# Altium PCB Mother_and_Asserv.PcbDoc (part 2 of 2)
Units mil, origin at the board's own origin, x right, y up, seen from the top; angles counter-clockwise.
Board outline 7572 x 3149 mil, 2 copper layers (Top Layer, Bottom Layer); 179 components, 0 nets, 687 pads, 93 vias.
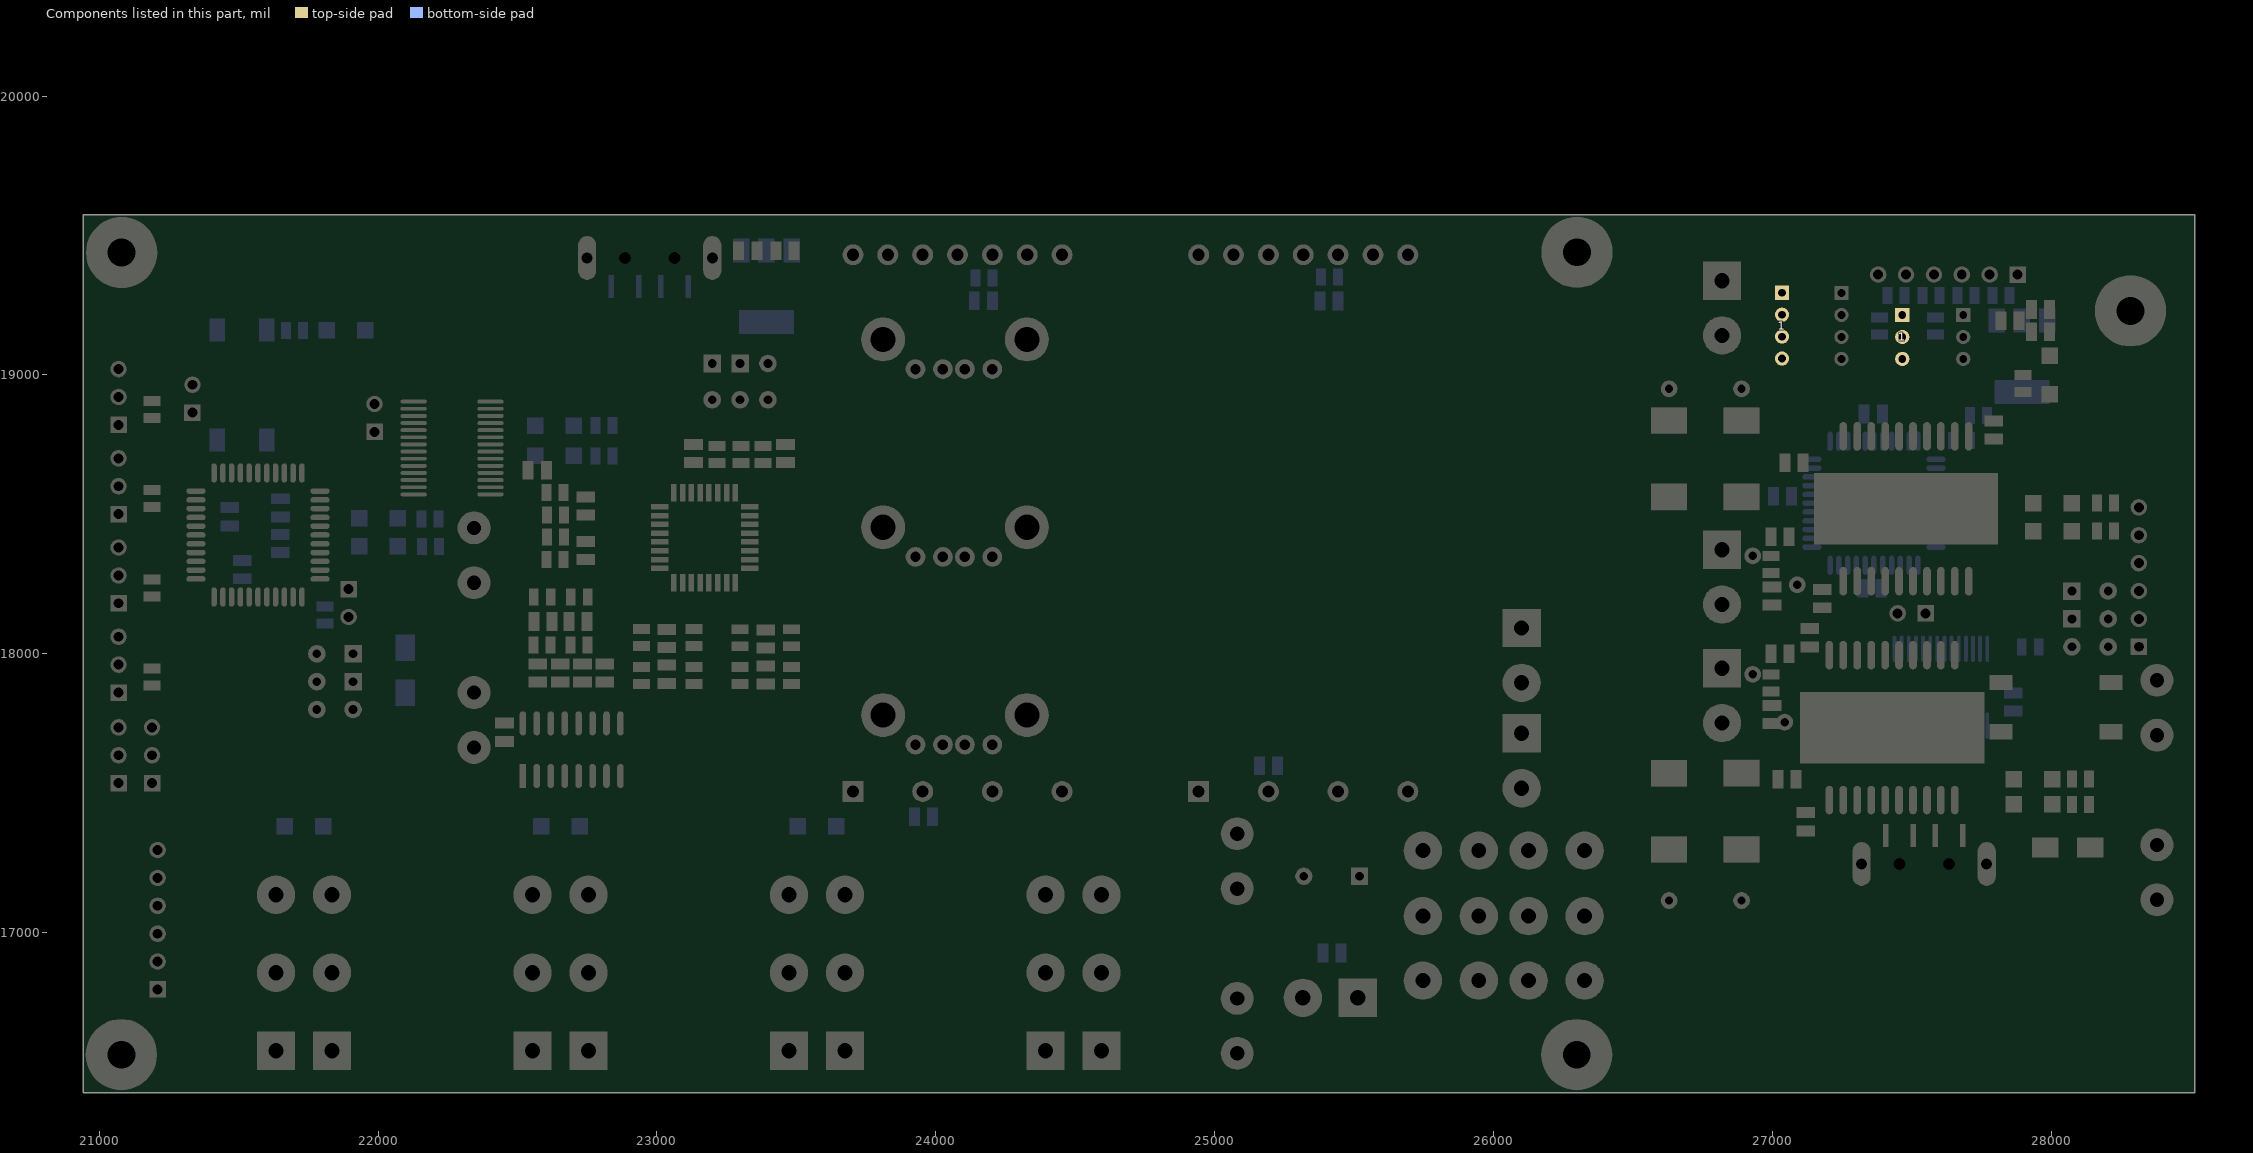
[diagram p2: the components of this part, seen from the top]

## Via types
v1: diameter 50, hole 28, Top Layer to Bottom Layer, 93 vias

## Nets (pads, with @x,y where several pads share a name; then routed paths per layer and width w, separated by ;. In a path a pad name is that pad's centre, name@x,y a point inside that pad or via, vN(x,y) a via of type N, cw(c..) or ccw(c..) an arc to the next point about the centre after c; other vN are vias at no path point) (continued)
copper on no net: | length 149392.9
  Top Layer w10: 21013,18181 21069,18181 ; 21013,18501 21069,18501 ; 21069,17636 21189,17636 21538,17985 21538,18203.06 21537.5,18203.56 ; 21069,17861 21011,17919 21011,18763 21069,18821 ; 21082.98,17947.02 21205.02,17947.02 21274,18016 21274,18231 21311.52,18268.52 21346.56,18268.52 ; 21082.98,18267.02 21195.02,18267.02 21228.02,18300.02 21346.56,18300.02 ; 21082.98,18587.02 21189,18587.02 21197.42,18587.02 21269,18515.44 21269,18380.83 21311.66,18338.17 21339.91,18338.17 21346.56,18331.51 ; 21082.98,18907.02 21189,18907.02 21202.98,18907.02 21289,18821 21289,18392.32 21311.66,18369.66 21339.91,18369.66 21346.56,18363.01 ; 21094,17886 21189,17886 ; 21094,18206 21189,18206 ; 21094,18526 21189,18526 ; 21094,18846 21189,18846 ; 21189,17536 21069,17536 20991,17614 20991,19022 21486.44,19517.44 24704.56,19517.44 24843.5,19378.5 24964.75,19378.5 25017.25,19431 25068,19431 25193,19431 ; 21209,16796 21164.47,16840.53 21164.47,17343.9 21574.54,17753.97 ; 21209,17096 21474.28,17096 22037,17658.72 22037,18477.59 21906.27,18608.32 21756.54,18608.32 21741.99,18593.77 21741.99,18573.19 21763.2,18551.98 21791.44,18551.98 21792.43,18551 21818.7,18551 ; 21209,17195 21545,17195 22017,17667 22017,18469.31 21902.83,18583.48 21791.44,18583.48 ; 21334,18865 21411.52,18787.48 21411.52,18648.44 ; 21347.06,18395 v1(21457,18395) ; v1(21411.52,18136.48) 21411.52,18203.56 ; 21506.01,18648.44 21506.01,18821.58 21625.42,18941 22172,18941 22190,18923 22190,18639.92 22173.08,18623 22127.36,18623 ; v1(21569,18506) 21569,18648.44 ; 21575,17753.5 21863.5,17753.5 21910,17800 ; 21600.5,18648.44 v1(21600.5,18704.97) ; 21603,18201.06 21600.5,18203.56 21600.5,18260.5 v1(21609,18269) ; v1(21623,18034) 21631.99,18042.99 21631.99,18203.56 ; 21631.99,18648.44 21634.39,18650.84 21634.39,18680.39 21693,18739 21830,18739 21987,18896 ; v1(21654,17980) 21663.49,17989.49 21663.49,18203.56 ; 21663.49,18648.44 21663.49,18677.49 21705,18719 21910,18719 21987,18796 ; 21694.98,18203.56 21694.98,17959.27 21102,17366.28 21102,16764 21393.43,16472.57 23369.71,16472.57 ; 21694.98,18648.44 21694.98,18676.68 21716.3,18698 21974,18698 22052.39,18776.39 22127.2,18776.39 ; v1(21726.41,18417.5) 21734.91,18426 21791.44,18426 ; 21726.48,18203.56 21726.48,17962.48 21123,17359 21123,16773.45 21403.87,16492.57 22469.71,16492.57 22553.6,16576.47 22754.39,16576.47 ; 21726.48,18648.44 22127.2,18648.44 ; 21791.44,18331.51 21794.75,18328.2 21826.2,18328.2 21844,18310.41 21844,17998.17 21799.34,17953.5 21745.79,17953.5 21143,17350.72 21143,16781.73 21348.26,16576.47 21633.6,16576.47 21834.39,16576.47 ; 21791.44,18457.5 21841.5,18457.5 21959,18340 21964.57,18340 21988,18316.57 21988,17985.01 21910,17907.01 21910,17900 ; 21791.44,18488.99 v1(21867,18489) ; 21791.44,18520.49 21841.92,18520.49 21850.43,18529 21900.74,18529 v1(21927,18502.74) ; 21821.69,18361 21894,18288.69 21894,18232 ; 21992.98,18801.98 22127.2,18801.98 ; 21995.34,18904.34 22127.2,18904.34 ; v1(22032,18551) 22035,18551 22081.25,18597.25 22127.2,18597.25 ; v1(22040,18698) 22040,18710 22080.8,18750.8 22127.2,18750.8 ; v1(22044,18854) 22070.43,18827.57 22127.2,18827.57 ; v1(22234,18824) v1(22234,19131.79) 23296,19131.79 ; v1@22261,18695 22261,18534.4 22344,18451.4 ; v1(22261,18699.61) 22402.8,18699.61 ; 22344,17859 22383,17898 22557.92,17898 22570.96,17911.04 ; 22344,18257.55 22344,18451.4 ; 22344,18454.4 22344,18451.4 ; 22402.8,18571.66 22556.46,18418 22605,18418 22605,18339.02 ; 22402.8,18597.25 22584.72,18597.25 ; 22402.8,18750.8 22481.2,18750.8 v1(22487,18745) ; 22402.8,18776.39 22449.39,18776.39 v1(22489,18816) ; 22403.46,18623.51 22402.8,18622.84 22502.84,18622.84 22538,18658 ; 22453,17751 22518.49,17751 ; v1(22518,17836) 22518,17751.49 22519,17750.49 22569,17750.49 ; 22519,17561.51 22519,17530 22567,17482 23142,17482 ; 22557.07,18031 22557.07,18039.67 22624,18106.6 22624,18116 22684,18116 22714.28,18146.28 22714.28,18156.93 22751.93,18194.58 22751.93,18203 ; 22560.04,18123 22560.04,18209.45 22558.07,18211.42 22599.14,18252.49 22783.85,18252.49 22869.26,18337.9 23009.4,18337.9 ; 22571,17590 22541.18,17619.82 22493.82,17619.82 22436,17562 22298,17562 22234,17626 22234,17967 22539.49,18272.49 22775.57,18272.49 22906.08,18403 23007.3,18403 23009.4,18400.9 ; 22573,17899.04 22573,17885 22649.2,17808.8 22680.11,17808.8 22719,17769.9 22719,17750.49 ; 22605,18498 22605,18576.98 ; 22618.09,18031 v1(22654,18031) 22689.91,18031 ; 22619,17561.51 22619,17588 22723.18,17692.18 22880.11,17692.18 22899.49,17711.56 22899.49,18121.74 23032.95,18255.2 23060.6,18255.2 23060.6,18232.6 ; 22619.09,18203 v1(22655,18203) 22690.91,18203 ; 22653,17899.04 22709.02,17843.02 ; 22666.02,18498 22745,18498 22795,18498 22829.2,18463.8 23009.4,18463.8 ; 22669,17561.51 22669,17609.72 22731.47,17672.18 22981.53,17672.18 23211,17901.65 23211,18199.64 23186.5,18224.14 23186.5,18255.2 ; v1(22680.6,17848.8) 22686.37,17843.02 22709.02,17843.02 ; 22681.06,18402.96 22745,18402.96 22789.96,18402.96 22819.3,18432.3 23009.4,18432.3 ; 22719,17561.51 22722,17558.51 22722,17527 22745.8,17503.2 22900.2,17503.2 v1(22934,17537) ; 22733,17899.04 22733,17886 v1@22776,17843 ; 22749.96,18123 22933.36,18306.4 23009.4,18306.4 ; 22750.93,18036 22750.93,18114.03 ; v1(22758,17851) 22758,17850.61 22765.61,17843 v1@22776,17843 ; v1(22760,17632) 22764,17636 22764,17566.51 ; 22769,17750.49 22769,17783.04 22709.02,17843.02 ; 22813,17899.04 v1@22813,17856 ; 22819,17750.49 22819,17800 v1@22776,17843 ; v1(22819,17856.57) 22818.43,17856 v1@22813,17856 ; 22820,17562.51 v1(22820,17632) ; 22869,17566 22903,17566 22989.18,17652.18 22989.81,17652.18 23231,17893.37 23231,18211.14 23218,18224.14 23218,18255.2 ; 22869,17750.49 22869,17800 v1@22813,17856 ; 22945,17953.12 v1(22945,17989) 22945,18028 ; 22945,18089.02 23030.46,18089.02 ; 23009.4,18369.4 23040.6,18369.4 23073,18337 23073,18325 v1(23076,18322) ; 23009.4,18495.3 23040.7,18495.3 23079,18457 23079,18388 v1(23082,18385) ; 23009.4,18526.8 23009.4,18703.6 23156.8,18851 23435.2,18851 23529.46,18756.73 23529.46,17868.02 23142.72,17481.28 ; 23032.43,18087.06 23123.6,18178.23 23123.6,18255.2 ; v1(23034,18166) 23092.1,18224.1 23092.1,18255.2 ; 23034.39,17892.09 23119.42,17892.09 ; 23132,17892.09 23140.42,17892.09 23191,17942.68 23191,18188 23155.1,18223.9 23155.1,18255.2 ; 23132,17953.12 v1(23132,17990.56) 23132,18028 ; 23132.97,18683.91 23230.09,18683.91 23249.5,18664.5 23249.5,18578 ; 23186.5,18578 23218,18578 ; 23202,18580 v1(23202,18631) ; 23204,18578 23202,18576 23202,18436 23300.1,18337.9 23332.2,18337.9 23332.2,18306.4 ; 23216,18744.93 v1@23216,18799 ; 23249.5,18255.2 23251.91,18252.79 23251.91,17867.14 23260.7,17858.35 23339.25,17858.35 23372.87,17891.97 ; 23281,18255.2 23281,18104.43 23297.43,18088 23384.03,18088 ; 23281,18578 23281,18673 23291.91,18683.91 23381,18683.91 23459.03,18683.91 23461,18685.87 ; 23285.44,18744.93 23301,18744.93 v1@23301,18799 ; v1(23287,19374) 23287,19368 23287,19439 ; 23293,19445 23293,19430 23445,19278 ; 23297.43,17952.09 v1(23297.43,17988) 23297.43,18026.98 ; 23298,19041 23298,19131 23445,19278 ; 23369.71,16472.58 23473.6,16576.47 23674.39,16576.47 ; 23381,18744.93 v1(23381,18811) ; 23388.06,18086.93 23390.03,18084.96 ; 23399.97,17891.07 23485.43,17891.07 ; 23483,17952.02 v1(23483,17989) 23483,18026.91 23491.42,18026.91 ; v1(23483,19374) 23483,19368 23483,19437.04 ; 23953,19431 23828,19431 23777.25,19431 23724.75,19378.5 23545.5,19378.5 23445,19278 ; 24943,17506 24947,17506 ; 25081,17354 25081,17368 ; 26101,17882.22 26101,17895.57 ; 26630,18563.19 26648.19,18563.19 ; 26820,17751.57 26821.54,17750.04 ; 26820,18176.57 26821.54,18175.04 ; 26890,17571.81 26911.81,17550 ; 26995,17926.02 27008.98,17926.02 27037.05,17897.95 27347.95,17897.95 27399.13,17949.13 27399.13,17960.87 ; 26995.04,18351.06 26995,18351.02 26996.02,18350 27455,18350 27505,18300 27505,18260.16 ; 26999.43,17750.04 27008.83,17750.04 27084.29,17825.5 27084.29,17869.17 27093.08,17877.95 27417.95,17877.95 27505,17965 27505,17994.84 ; v1(27020,18820) 27020,19016.38 26994.41,19041.97 26994.41,19326.8 27072.13,19404.53 27624.53,19404.53 27669.06,19360 27680,19360 ; 27030,19058.78 v1@27155,19058.78 ; v1@27040,18765 v1(27060,18765) 27397.5,19102.5 27397.5,19259.32 27446.64,19308.46 27528.46,19308.46 27580,19360 ; 27060,18420 27100.13,18420 27143.08,18377.05 27466.21,18377.05 27549.13,18294.13 ; 27066.48,17986.48 27066.48,17978.52 27127.05,17917.95 27312.95,17917.95 27344.13,17949.13 ; 27090,18247.43 27168.91,18326.34 27369.69,18326.34 27405,18291.02 27405,18260.16 ; v1(27100,18875) 27241.93,19016.93 27265.15,19016.93 27377.5,19129.28 27377.5,19267.6 27469.9,19360 27480,19360 ; 27120.04,17365 27345,17365 27405,17425 27405,17475.16 27405.04,17475.12 ; 27135,18025 27174.84,18025 27205,17994.84 ; 27180,18170.04 27195.04,18170.04 ; v1(27250,18115) 27250,18100 27305,18045 27305,17994.84 ; 27305,17475.16 27310,17470.16 v1(27310,17405) ; v1@27350,18145 v1(27350,18130) 27375.94,18130 27405.47,18100.47 27585.74,18100.47 27594.53,18109.26 27594.53,18129.26 27610.27,18145 v1(27965,18145) v1@27970.79,18145 ; 27355,17475.16 27355,17540 ; 27405,18779.84 27405,18930 ; 27405,18920 27405,18930 ; 27454.96,17994.88 27455,17994.84 ; v1(27455,17350) 27504.29,17350 ; 27455,18220 27455,18260.16 27459.53,18255.63 ; 27460,17735 27530,17805 v1@27500,17805 ; 27490,17735 27430,17735 27655,17510 27655,17475.16 ; 27500,17480.16 v1(27500,17565) ; 27505,18779.84 27526.22,18801.06 27526.22,18832.79 27588.43,18895 27724.96,18895 27780,18839.96 ; 27555,18260.16 27559.72,18255.43 ; 27555,18715 27555,18779.84 ; 27584.37,17348.66 27584.37,17379.37 27613.98,17408.98 27666.92,17408.98 27683.78,17425.84 27683.78,17493.63 27805,17614.85 27805,17645 v1(27800,17650) ; v1(27595,18965) 27440,18965 27405,18930 ; 27600,18265.16 v1(27600,18335) ; v1(27605,18855) 27605,18779.84 27610,18784.84 ; 27682.8,17348.66 27831.74,17348.66 27925.83,17254.57 28084.57,17254.57 28135,17305 28140.71,17305 ; v1(27739.34,17934.69) 27739.34,17934.34 27773.67,17900 27818.46,17900 27821.3,17897.17 ; v1(27796.72,17460) 27866.1,17460 ; v1(27796.72,17550) 27866.1,17550 ; v1@27845,18540 27936.1,18540 ; v1(27855,18440) 27936.1,18440 ; 27902.87,18936.1 27995,18936.1 ; 27995,19235 27995,19255 ; 28003.9,17460 28075,17460 ; 28003.9,17550 28075,17550 ; 28073.9,18440 28165,18440 ; 28073.9,18540 28170,18540 ; 28144.45,17314.45 28380,17314.45 28380,17117.6 ; 28315,18120 28315,18125
  Top Layer w15: v1(27165,18810) 27337.5,18982.5 27337.5,18982.6 27362.4,19007.5 27362.5,19007.5 27420,19065 27420,19250 27455.96,19285.96 27964.04,19285.96 27995,19255 ; 27455,18010 27455,18045 ; 27685,19215 27820,19215 ; 27995,19235 27995,19195 ; v1(28050,19195) 27995,19195 ; 28155,17435 28155,17755 28250,17850 28265,17850 28275,17860 28275,17955 28265,17965 28265,18075 28315,18125 28365,18175 28365,18600 ; v1(28270,18600) 28365,18600 ; 28380,17708.15 28380,17905 ; 27995,19195 27995,19155 27995,19070 28365,18700 28365,18600
  Top Layer w20: 26611.81,18836.81 26630,18836.81 ; 27305,18165 27305,18105 27340,18070 27430,18070 27455,18045 ; 27325,18185 27420,18185 27455,18220
  Top Layer w40: 27175,18175 27315,18175
  Top Layer w50: 23703,17506 23789.44,17419.56 24856.56,17419.56 24943,17506 25081,17368 ; 24393.6,16576.47 24936.53,16576.47 25042,16471 25119,16471 25225,16577 25696.79,16577 25947.79,16828 26126.21,16828 26126.21,17059 25947.79,17059 25947.79,17294 26126.21,17294 ; 24393.61,16856 24594.39,16856 24978,16856 25081,16753 25081,16567 ; 25081,17157.55 25081,17290.4 ; 25081,17354 25368,17354 25520,17202 ; 25747,16828 25747,17059 25747,17294 26017.1,17564.1 26017.1,17798.32 26101,17882.22 ; 26103.43,17517.57 26327,17294 26327,17059 26327,16828 ; 26530,18060 26530,17398.19 26630,17298.19 ; 26611.81,18836.81 26530,18755 26530,18065 26895,18065 26915,18085 27120,18085 27180,18145 ; 26630,17115 26630,17298.19 ; 26630,17571.81 26630,17758.43 26820,17948.43 26842.4,17926.02 26995,17926.02 26995,17999.96 ; 26630,18563.19 26630,18366.57 26820,18176.57 ; 26648.19,18563.19 26770,18685 27045.04,18685 ; 26819.21,19339.21 26630,19150 26630,18836.81 26890,18836.81 ; 26820,17751.57 26820,17641.81 26890,17571.81 ; 26821.54,17750.04 26999.43,17750.04 ; 26821.54,18175.04 26999.43,18175.04 27037.11,18175.04 27067.89,18205.82 27067.89,18225.31 27090,18247.43 ; 26890,17298.19 26630,17298.19 ; 26890,18563.19 26890,18443.43 26820,18373.43 26842.4,18351.02 26995,18351.02 ; 26911.81,17550 27030.04,17550 ; 26995,17819.43 26995,17865 ; 26995,18244.43 26995,18290 ; 26995.04,18351.06 26995.04,18420 ; 27095,17550 27115,17570 27325,17570 27355,17540 ; v1(27100,18150) 27100,18153.07 v1@27111.54,18164.61 ; 27110,18685 27525,18685 27555,18715
  Bottom Layer w10: 21069,18821 21168.47,18920.47 21658.47,18920.47 21890.18,19152.18 21890.18,19195.74 21898.97,19204.53 22160.47,19204.53 v1@22233.61,19131.39 ; 21207.5,16894.5 21124.47,16977.53 21124.47,17743.5 21051.5,17816.47 21033.26,17816.47 21024.47,17825.26 21024.47,17896.74 21033.26,17905.53 21076.5,17905.53 21131,17960.03 21131,18068 21457,18394 v1(21457,18395) 21483,18421 21484,18421 v1@21562,18499 ; v1(21411.52,18136.48) 21474,18074 21644.85,18074 21714,18004.85 21714,17900.32 21767.83,17846.5 21799.34,17846.5 21826.57,17819.26 21826.57,17817.67 22217.72,17426.53 22758.63,17426.53 22803.16,17382 23505.1,17382 ; 21512,18269.04 v1(21609,18269) v1(21609,18269) ; v1@21572,18489 v1@21569,18492 ; v1(21600.5,18704.97) 21600.5,18766.97 ; v1(21623,18034) 21624,18035 21655.57,18035 21694,17996.57 21694,17820.32 22132.32,17382 22585.1,17382 ; 21650,18491.04 21659.4,18491.04 21942.47,18774.11 21942.47,18831.74 21951.26,18840.53 21999.49,18840.53 22012.96,18854 v1(22044,18854) ; v1(21654,17980) 21659,17975 21659,17388.1 21665.1,17382 ; v1(21726.41,18417.5) 21692.5,18417.5 21604,18506 v1(21569,18506) ; 21730.02,19160 21796.91,19160 ; 21809,18108.98 21809,18036.83 21826.57,18019.26 21826.57,17883.43 21910,17800 ; 21809,18170 21809,18227.27 21921.73,18340 21966.37,18340 21981.01,18354.64 21981.01,18500.01 v1(22032,18551) ; v1(21867,18489) 21887.57,18468.43 21887.57,18430.43 21931,18387 21931,18386 21932.1,18386 ; v1@21932.1,18486 v1@21932.1,18497.64 ; v1@21932.1,18504.9 v1@21932.1,18497.64 ; 21934.71,19160 21954,19160 22044,19070 v1(22044,18854) ; v1@22050,18848 v1(22044,18854) ; 22069.9,18386 22155,18386 ; 22069.9,18486 22152,18486 ; 22097,17860.29 22097.56,17860.85 22344,17860.85 22344,17664 ; v1(22234,18824) 22234,18726.61 v1(22261,18699.61) ; 22344,18254.55 22519,18079.55 v1@22519,17836 ; v1(22487,18745) 22484,18742 22515,18711 22564.1,18711 ; v1(22489,18816) 22562.1,18816 ; v1(22654,18031) 22654,17907.05 22618,17871.05 22618,17604.29 22785.29,17437 23518.57,17437 23685.14,17603.57 24033.57,17603.57 24104,17674 24104.37,17674 24104,17673.63 ; v1(22655,18203) 22694,18164 22694,17918.77 22638,17862.77 22638,17612.58 22793.58,17457 23510.28,17457 23676.85,17623.57 23974.57,17623.57 24025,17674 24025.63,17674 ; v1@22680,17847.39 22680,17598.86 22801.86,17477 23502,17477 23699,17674 23927.2,17674 23927,17673.8 ; v1(22680.6,17848.8) v1@22682,17847.39 ; 22701.9,18711 22778,18711 ; 22701.9,18818 22778,18818 ; v1(22758,17851) 22758,17850.61 v1@22759,17849.61 ; v1(22760,17632) 22760,17650 22879,17769 22879,18039.28 22994,18154.28 22994,18240 v1(23076,18322) ; v1@22765,17843.61 v1@22759,17849.61 ; v1(22819,17856.57) 22819,17854 22700,17735 22700,17607.15 22810.15,17497 23077,17497 23927.2,18347.2 23927.2,18347.5 ; v1(22820,17632) 22820,17642 22899,17721 22899,18031 v1(23034,18166) ; v1(22934,17537) 22798.43,17537 22720,17615.43 22720,17648.57 22859,17787.57 22859,18047.57 22974,18162.57 22974,18276.57 23082,18384.57 v1(23082,18385) ; 22934.63,19317.34 22934.63,19035.8 23199.43,18771 23258.5,18771 v1(23298.5,18811) ; v1(22945,17989) 23073.87,17989 24025.63,18940.76 24025.63,19021 ; 23013.37,19317.34 23013.37,19013.63 v1(23216,18811) ; 23111.8,19317.34 23111.8,19127.2 23198,19041 ; v1(23132,17990.56) 24105,18963.56 24105,18993.35 24118.51,19006.86 ; v1(23287,19374) 23287,19368 23287,19431.1 ; v1@23298.43,17987 v1(23297.43,17988) 23297.43,18072.73 23772.23,18547.54 23896.91,18547.54 24096.95,18347.5 24104.37,18347.5 ; v1(23483,17989) 23891.93,18397.93 23948.09,18397.93 23998.53,18347.5 24025.63,18347.5 ; 23483,19446 23483,19368 23483,19271.28 23505.87,19248.4 23505.87,18934.87 v1(23202,18631) 23202,18633 23125,18710 22840.02,18710 22840.02,18819 22840.02,18827.42 22802.93,18864.51 22054.51,18864.51 v1(22044,18854) ; 23927.2,19021 23332.2,18426 23066.43,18426 22779,18138.57 22779,17869.61 v1@22759,17849.61 ; 23953,19431 24118,19266 24138,19266 24138,19256.6 ; 24078,19431 24141.98,19367.02 24141.98,19347 ; 25193,19431 25212,19431 25378,19265 ; 25318,19431 25318,19414.98 25381.98,19351 ; 25513.43,16766 25520,16772.57 ; 26888.78,17298.19 26890,17299.41 ; v1(27020,18820) 27020,18728.28 27107.14,18641.14 27135.91,18641.14 27142.56,18634.49 27113.8,18634.49 ; 27030,19137.52 27030,19125 27207.52,18947.48 27207.52,18762.44 ; v1(27060,18765) 27060,18716.57 27110.58,18665.98 27142.56,18665.98 ; v1(27100,18875) 27100,18715 27117.52,18697.48 27142.56,18697.48 ; 27142.56,18382.52 27142.56,17512.44 27250,17405 v1(27310,17405) ; 27142.56,18445.51 27454.27,18445.51 27542.1,18357.68 27577.32,18357.68 v1(27600,18335) ; 27142.56,18477.01 27192.01,18477.01 27427.99,18712.99 27532.77,18712.99 27547.32,18727.54 27547.32,18797.32 v1(27605,18855) ; 27142.56,18571.5 27144.06,18570 ; 27142.56,18602.99 27112.01,18602.99 26980,18735 26980,19312.39 27072.13,19404.53 27724.53,19404.53 27769.06,19360 ; v1(27155,19060) 27239.02,18975.98 27239.02,18762.44 27235,18758.43 27235,18730.18 ; 27247.07,19295 27248.33,19293.74 ; 27248.33,19057.52 27295.35,19010.5 27295.35,18769.09 27302.01,18762.44 ; 27248.33,19136.26 27207.74,19095.67 27207.74,19040.71 27270.51,18977.94 27270.51,18762.44 ; v1(27250,18115) 27250,18265 27270.35,18285.35 27270.35,18317.4 27270.51,18317.56 ; 27302.01,18317.56 27302.01,18287.01 27290,18275 27290,18038.58 27413.03,17915.55 27663.63,17915.55 27720,17971.92 27720,18017.64 27720.16,18017.8 ; 27330.04,18860 27340,18869.96 v1(27340,18920) ; 27333.5,18243.46 27333.5,18317.56 ; 27365,18317.56 27365,18275 27390,18250 27390,18235 ; 27372.97,18202.97 27350,18180 v1(27350,18130) 27350,18035.15 27429.59,17955.55 27498.91,17955.55 27515,17971.64 27515,18017.36 27515.43,18017.8 ; 27373.98,19206.02 27385,19206.02 27413.98,19216.02 ; 27388.74,19136.26 27466.67,19136.26 ; 27396.5,18317.56 27396.5,18348.5 27377.99,18367.01 27197.23,18367.01 27182.68,18352.46 27182.68,18110.75 27397.88,17895.55 27671.92,17895.55 27711.05,17934.69 v1(27739.34,17934.69) ; 27396.5,18762.44 27396.5,18858.5 ; 27426.08,19135.18 27426.08,19040.71 27429.69,19037.1 27429.69,18764.13 27427.99,18762.44 ; 27427.99,18317.56 27427.99,18147.99 27438.66,18137.32 27438.66,18025 ; v1(27455,17350) 27455,17654.56 27416.77,17692.78 27416.77,17793.34 27498.98,17875.55 27680.2,17875.55 27699.34,17894.69 28081.88,17894.69 28150,17826.57 28150,17793.43 28116.92,17760.35 27789.49,17760.35 27771.34,17742.2 ; 27459.49,18317.56 27459.49,18205.51 27541.02,18123.98 27541.02,18017.8 ; 27459.49,18762.44 27459.49,18992.94 27507.26,19040.71 27507.26,19077.26 27570,19140 27585,19140 27681.26,19140 ; 27475,19285 27475,19355 ; 27489.84,17742.2 27489.84,17809.84 v1(27500,17820) 27515.43,17804.57 27515.43,17742.2 ; 27490.98,18317.56 27490.98,18289.02 27595,18185 27594.53,18184.53 27594.53,18109.26 27571.88,18086.61 27566.61,18081.35 27566.61,18017.8 ; 27490.98,18762.44 27490.98,18917.55 27578.43,19005 27666.7,19005 28031.7,18640 28286.57,18640 28399.53,18527.04 28399.53,18029.26 28305.94,17935.67 28305.94,17874.33 28375.27,17805 28387.88,17805 28454.06,17738.82 28454.06,17635.38 28391.17,17572.5 27965.78,17572.5 27813.28,17420 27645,17420 v1(27500,17565) ; 27522.48,18317.56 27522.48,18287.52 27695,18115 27695,18018.23 27694.57,18017.8 ; 27566.61,17742.2 27565,17740.59 27565,17691.72 v1(27796.72,17460) ; 27587.44,18382.52 27589.96,18380 27840.15,18380 27939.67,18280.47 28333.44,18280.47 28359.53,18306.56 28359.53,18369.53 28315,18414.06 28315,18425 ; 27587.44,18414.02 27815.98,18414.02 27830,18400 28240,18400 28315,18325 ; 27587.44,18445.51 27859.49,18445.51 27865,18440 v1(27855,18440) ; 27587.44,18477.01 27787.01,18477.01 v1(27850,18540) v1@27845,18540 ; 27587.44,18508.5 27590.63,18505.31 27729.68,18505.31 27804.36,18580 27870,18580 27980.47,18469.53 28333.44,18469.53 28379.53,18423.44 28379.53,18226.56 28331.48,18178.5 28128.5,18178.5 28075,18125 ; 27587.44,18540 27690,18540 27699.4,18540 ; 27587.44,18571.5 27590.63,18574.69 27659.72,18574.69 27690,18604.96 ; 27587.44,18634.49 27619.49,18634.49 27650,18665 27650,18911.57 v1@27596.57,18965 ; 27592.2,17742.2 27592.2,17692.8 27735,17550 v1(27796.72,17550) ; 27592.2,18017.8 27592.2,18063.52 27633.69,18105 v1(27645,18105) ; 27600.34,19285 27600.34,19339.66 ; 27664.66,19285 27664.66,19344.66 ; 27714.09,18545.91 27768.19,18600 v1(28270,18600) ; 27721.12,17788.88 27736.68,17804.45 27855.59,17804.45 27865,17795.04 ; 27745.75,17742.2 27745.75,17694.25 27800,17640 v1(27800,17650) ; 27745.75,18017.8 27745.75,18065.75 27760.04,18080.04 27849.96,18080.04 27895,18035 27895,18025 ; 27780,19360 27780,19365 ; 27790,19285 27790,19350 ; 27805,19195 27805,19210 ; 27956.02,18025 28075,18025 28139.17,18025 28185.66,17978.5 28224.18,17978.5 28270.68,18025 28315,18025 ; v1@27970.79,18139.21 28035,18075 28265,18075 28315,18125 ; v1@21562,18499 v1(21569,18506) ; v1@21562,18499 v1@21569,18492 ; v1@21569,18492 v1(21569,18506) ; v1@21932.1,18497.64 v1(21927,18502.74) 21934,18487.9 21934,18495.74 v1@21932.1,18497.64
  Bottom Layer w15: 27030,19295 27247.07,19295 ; 27065,18570 27066.5,18571.5 27142.56,18571.5 ; 27144.06,18570 27172.84,18570 27195,18592.16 27195,18710 27165,18740 v1(27165,18810) ; 27248.33,19293.74 27405.24,19293.74 27413.98,19285 27413.98,19216.02 ; 27385,19215 27466.67,19215 27685,19215 27805,19215 ; 27539.32,19215.68 27539.32,19285 ; 27643.39,17742.2 27643.39,17691.61 27740,17595 28266.85,17595 28380,17708.15 ; 27725.68,19215.68 27725.68,19285 ; 27805,19210 27860,19265 27880,19265 ; 27880,19360 27880,19265 ; v1(27965,18145) 27970.79,18145 v1@27970.79,18139.21 ; 27986.1,19195 v1(28050,19195) ; 28380,17905 28425,17950 28425,18880.1 28040.1,19265 27880,19265
  Bottom Layer w50: 23703,17506 23794,17415 23923.04,17415 ; 24943,17506 25035,17598 25161.04,17598 ; 25453.96,16927 25520,16927 ; 25520,16772.57 25520,16927 ; 25520,17202 25520,16927 ; 26630,17571.81 26630,17758.43 26820,17948.43 ; 26630,18561.97 26630,18366.58 26820,18176.57 ; 26820,17751.57 26820,17643.03 26890,17573.03 ; 26820,18373.43 26890,18443.42 26890,18561.97 ; 26820,19141.57 26820,19020 26890,18950 26890,18835.6 26630,18835.59 26610.59,18835.59 26530.03,18755.03 26530.03,17394.97 26626.81,17298.19 26630,17298.19 26888.78,17298.19 ; 26890,17115 26890,17299.41
  other v1: 28140,17140 27130,17220 26760,17435 28375,17515 27005,17650 28055,17675 27245,17720 22974,17796 28110,17810 26650,17955 27205,17960 22420,18006 22825,18114 26650,18180 27840,18245 23134,18492 23253,18493 26765,18510 27425,18550 27250,18615 27705,18690 26660,18705 27860,18710 28115,18845 28220,18980 28395,19030 28085,19335

## Polygon pours and split planes (outlines as drawn)
no net on Bottom Layer "Bottom Layer-No Net" (solid, pour order 5): 20943,19575 20943,16426 26439,16426 26439,19575 20943,19575
no net on Bottom Layer "Bottom Layer-No Net" (solid, pour order 6): 28495,19430 26500,19430 26500,17050 28495,17050 28495,19430
no net on Top Layer "Bottom Layer-No Net" (solid, pour order 7): 20943,19575 26433,19575 26433,16426 20943,16426 20943,19575
no net on Top Layer "Bottom Layer-No Net" (solid, pour order 8): 26500,17050 28495,17050 28495,19430 26500,19430 26500,17050

## Other copper
Top Layer:
  region: 27895,19215 27895,19175 27925,19175 27925,19215

## Silkscreen, mask and mechanical layers (free items; w line width, h text height)
Top Overlay:
  text "150u" at 26655,18975 h60
  text "Rx" at 27670,18180 h60 r270
  text "Tx" at 27750,18180 h60 r270
  text "150u" at 26860,17185 h60 r180
Bottom Solder:
  region: 27485,17815 27485,17755 27520,17755 27520,17815
Mechanical 1:
  lines w10: 20943,16426 20943,19575 28515,19575 28515,16426 20943,16426 ; 26500,17050 26500,19430 28495,19430 28495,17050 26500,17050

## Dimensions
20943,19575 to 28515,19575 on Top Overlay
28515,19575 to 28500,16425 on Top Overlay

## Text inside footprints (layer, text, board x,y; h text height)
"mother connexion": Mechanical 1 "PCB Edge" at 27341.35,17121.4 h9.84
RPi: Mechanical 1 "PCB Edge" at 22770.35,19544.6 h9.84 r180
S1: Top Overlay "1" at 28010,17970 h39.37 r270; Top Overlay "0" at 28010,18305 h39.37 r270
S1_1: Bottom Overlay "0" at 21979,18084 h39.37 r90; Bottom Overlay "1" at 21977,17731 h39.37 r90
S3: Bottom Overlay "0" at 23051.94,18995.72 h39.37 r180; Bottom Overlay "1" at 23514.54,18995.72 h39.37 r180